# KiCad board OEM_ECU.kicad_pcb
title: OPEN ECU; date: 2024-03-25; rev: 04-2024; company: WWW.AEONLABS.SCIENCE; note: https://github.com/aeonSolutions/AeonLabs-AI-Volvo-MKII-Open-Hardware/wiki; note: Creative Commons non commercial share alike
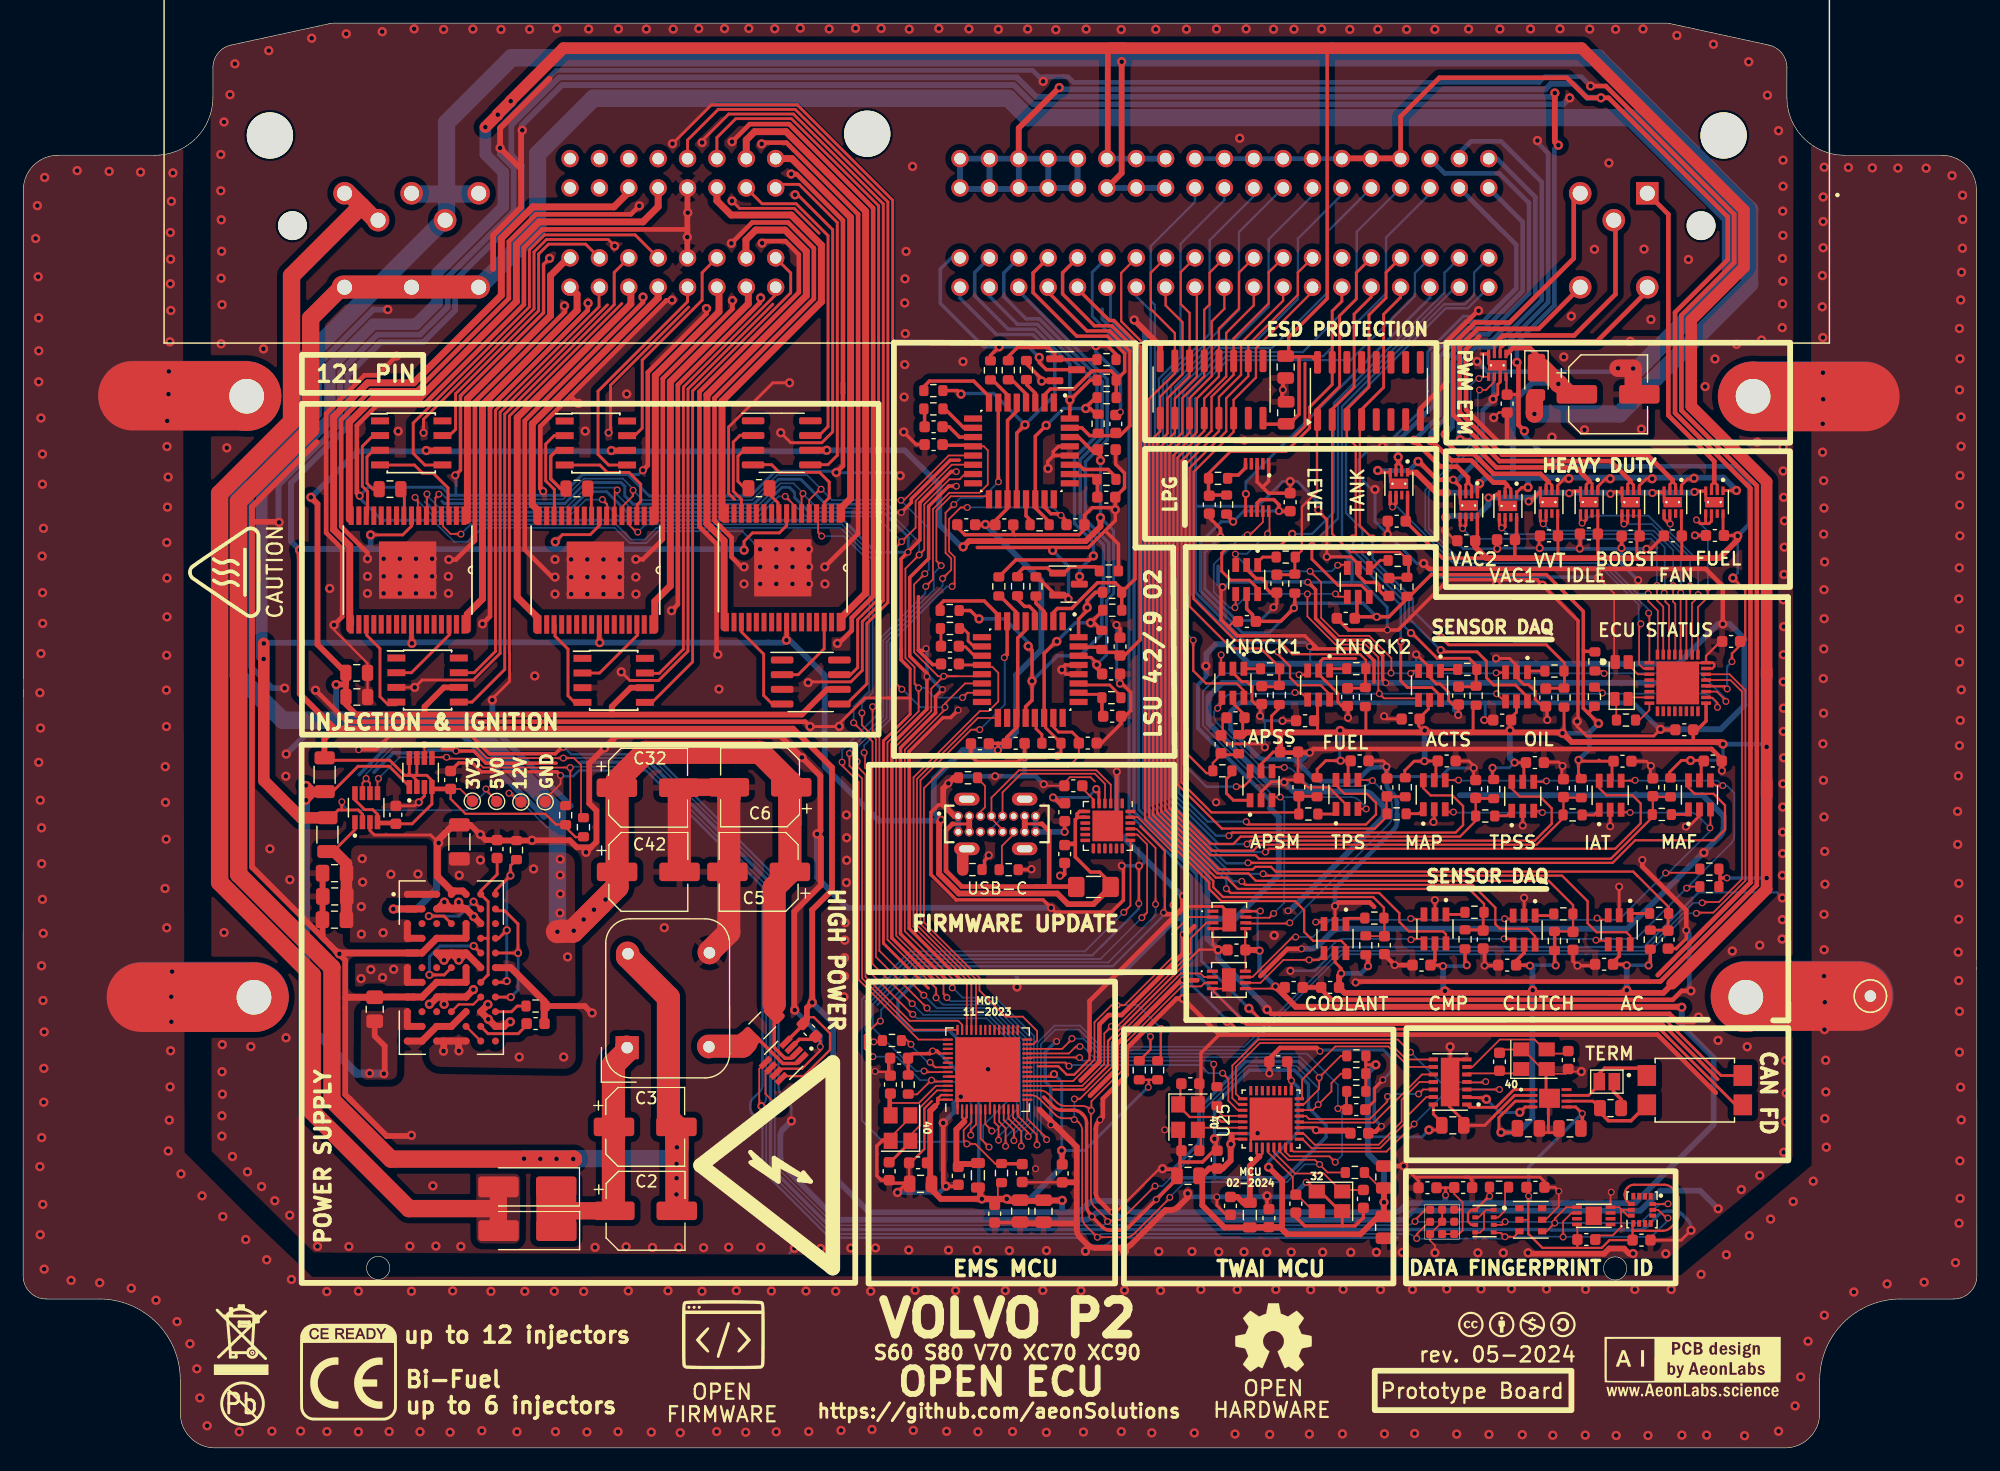
[diagram p0: board, top side]
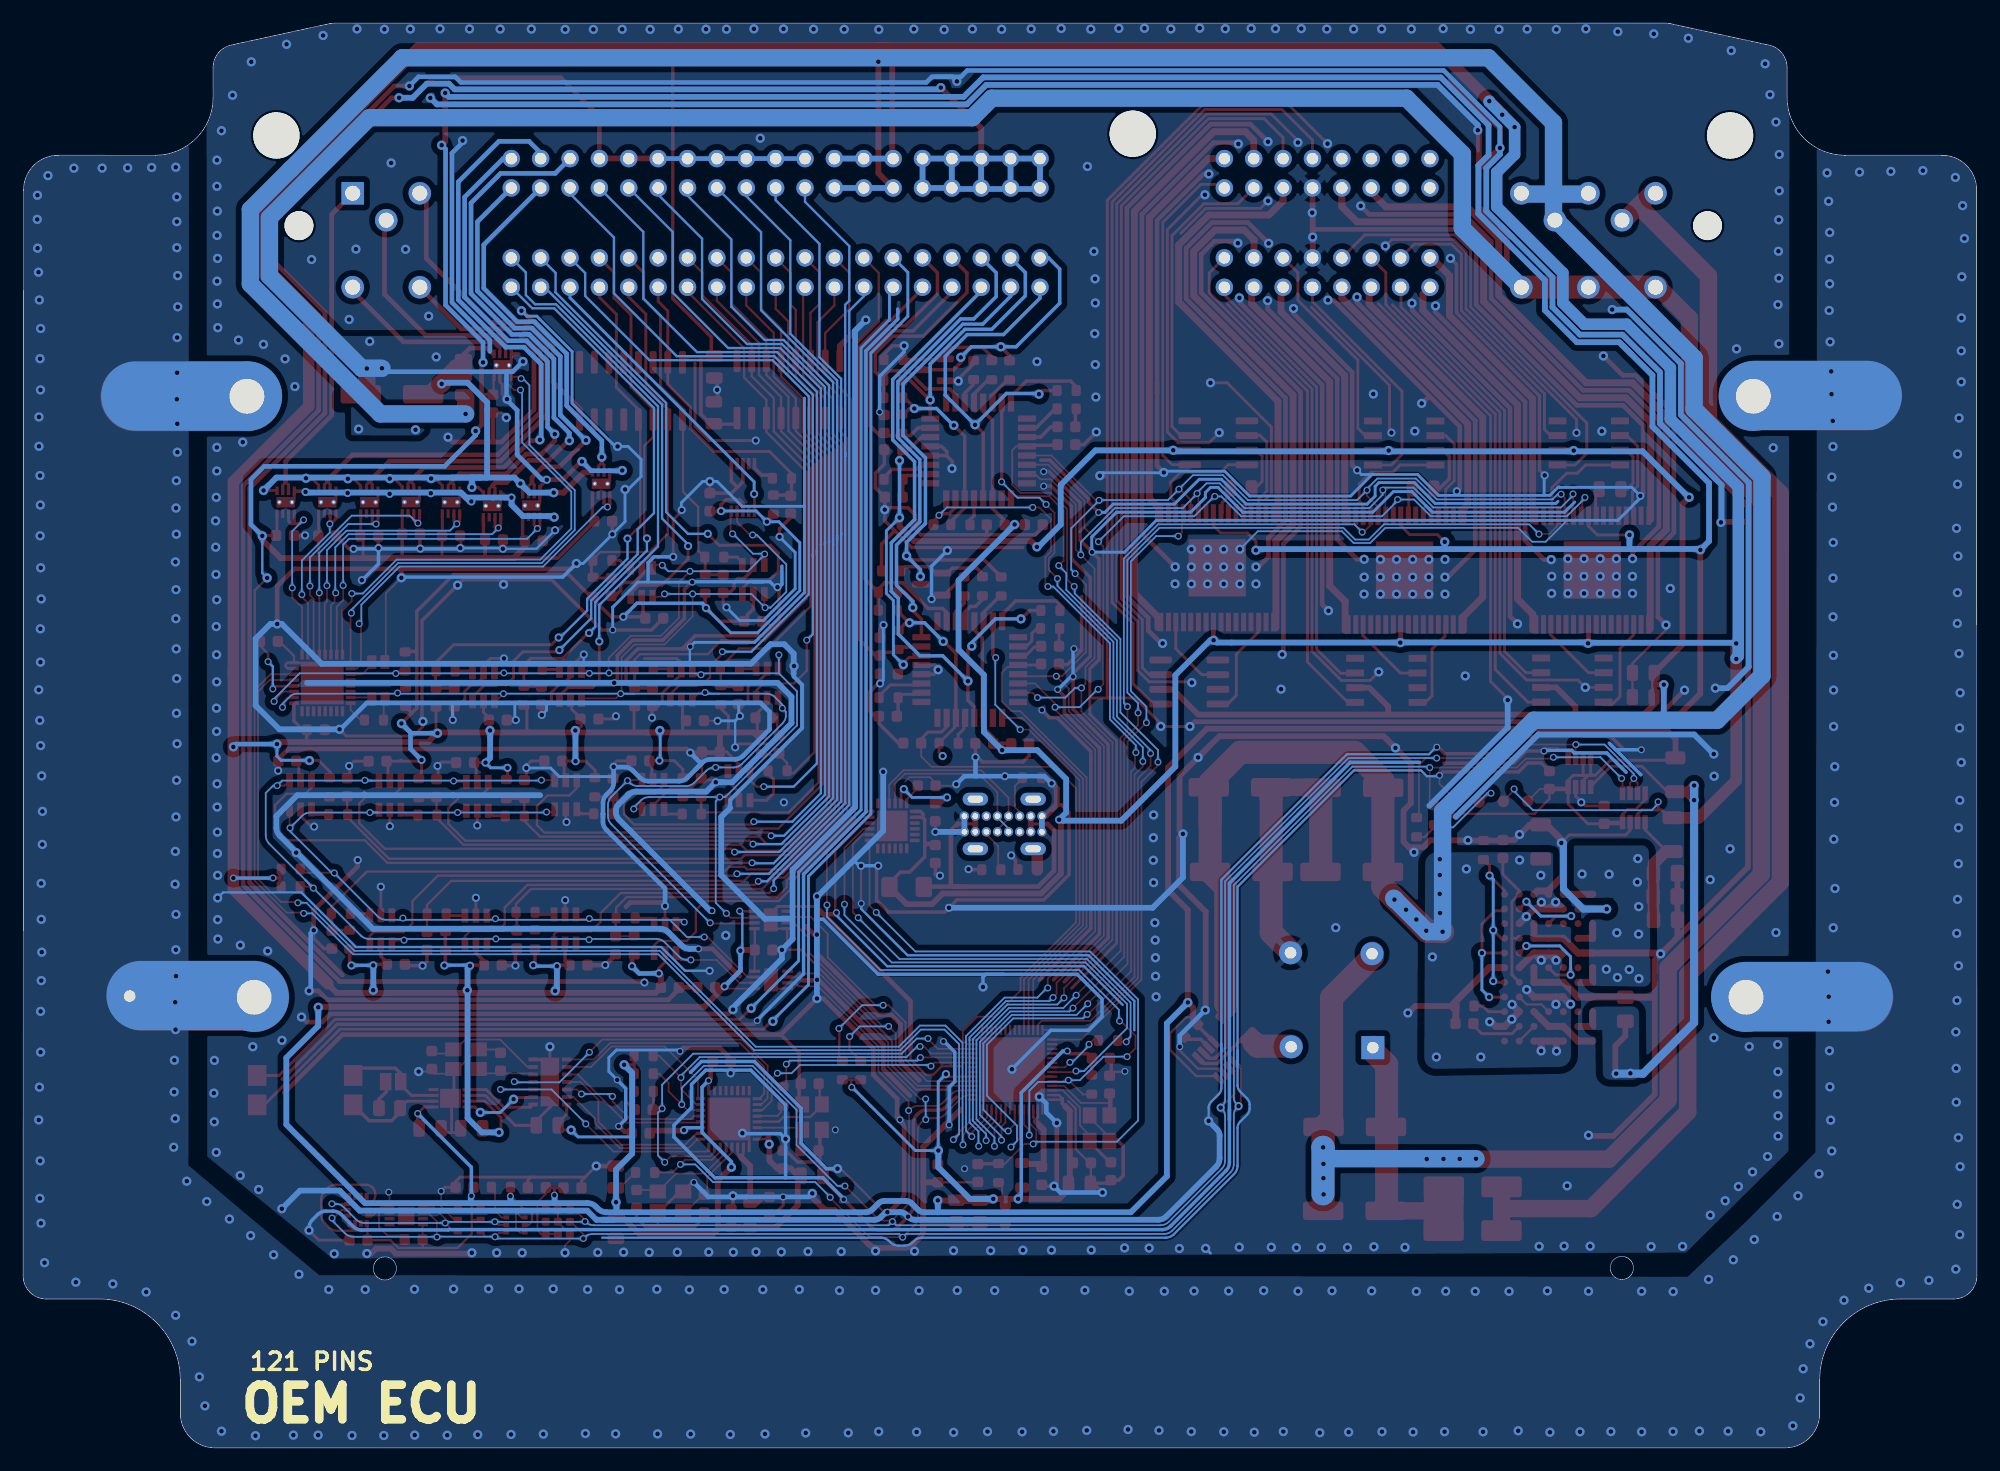
[diagram p1: board, bottom side, seen from below]

Outline 168.94 x 123.25 mm; copper layers: Top, Bottom. Coordinates in mm from the lower left corner of the outline.
Stack: Top 0.035mm / dielectric 1.51mm FR4 er 4.5 / Bottom 0.035mm

## Placement (name value [footprint] x y rotation side)
AC_C1  100nF  [C_0603_1608Metric]  142.24 43.96 90 top
AC_C2  100nF  [C_0603_1608Metric]  136.71 41.83 0 top
AC_R1  ??R  [R_0603_1608Metric]  140.7 43.96 270 top
AC_R2  500R  [R_0603_1608Metric]  141.47 46.23 180 top
AC_SENSE1  ADS1100A0IDBVR  [ADS1100 16-bit ADC SOT95P280X145-6N]  138.01 44.82 270 top
ACC_PEDAL_M_SENSE1  ADS1100A0IDBVR  [ADS1100 16-bit ADC SOT95P280X145-6N]  107.04 57.28 90 top
ACC_PEDAL_S_SENSE2  ADS1100A0IDBVR  [ADS1100 16-bit ADC SOT95P280X145-6N]  104.61 66.15 270 top
ACPM_C1  100nF  [C_0603_1608Metric]  103.58 60.87 270 top
ACPM_C2  100nF  [C_0603_1608Metric]  109.47 60.2 180 top
ACPM_C4  100nF  [C_0603_1608Metric]  143.64 62.12 0 top
ACPM_C5  100nF  [C_0603_1608Metric]  147.69 69.76 0 top
ACPM_R1  ??R  [R_0603_1608Metric]  105.1 60.88 90 top
ACPM_R2  500R  [R_0603_1608Metric]  103.7 58.57 0 top
ACPS_C3  100nF  [C_0603_1608Metric]  107.1 65.12 90 top
ACPS_C4  100nF  [C_0603_1608Metric]  104.84 63.16 0 top
ACPS_R3  ??R  [R_0603_1608Metric]  108.62 65.13 270 top
ACPS_R4  500R  [R_0603_1608Metric]  107.83 67.39 180 top
ACTS_C1  100nF  [C_0603_1608Metric]  124.12 65.08 90 top
ACTS_C2  100nF  [C_0603_1608Metric]  119.97 63.05 0 top
ACTS_R1  ??R  [R_0603_1608Metric]  125.64 65.07 270 top
ACTS_R2  500R  [R_0603_1608Metric]  124.88 67.34 180 top
ACTS_SENSE1  ADS1100A0IDBVR  [ADS1100 16-bit ADC SOT95P280X145-6N]  121.61 65.96 270 top
AUC1  100nF  [C_0603_1608Metric]  135.17 18.02 180 top
BMPR1  10k  [R_0603_1608Metric]  127.62 22.55 180 top
bogus1  Conn_01x01_Pin  [TestPoint_Keystone_5000-5004_Miniature]  159.73 39.08 0 top
C1  100uF  [CP_Elec_6.3x7.7]  137.05 91.14 0 top
C2  100pF  [CP_Elec_6.3x7.7]  53.82 20.51 0 top
C3  10uF  [CP_Elec_6.3x7.7]  53.79 27.77 0 top
C3_C1  10uF  [C_0805_2012Metric#2]  117.7 23.43 90 top
C3_C2  10uF  [C_0805_2012Metric#2]  117.68 19.08 270 top
C3_P2_L1  2nH  [L_0805_2012Metric]  106.07 20.14 90 top
C3_P32_C2  100nF  [C_0603_1608Metric]  103.25 24.94 270 top
C3P2_C1  100nF  [C_0603_1608Metric]  104.4 20.93 270 top
C3P2_C2  100nF  [C_0603_1608Metric]  107.72 19.88 90 top
C3P6_R1  10k  [R_0603_1608Metric]  115.16 23.82 180 top
C3P7_C1  1uF  [C_0603_1608Metric]  115.28 29.26 180 top
C3P7_R1  10k  [R_0603_1608Metric]  115.28 30.84 180 top
C3P11_C1  100nF  [C_0603_1608Metric]  115.54 27.22 0 top
C3P14_R1  10k  [R_0603_1608Metric]  115.28 32.37 180 top
C3P15_R1  10k  [R_0603_1608Metric]  115.29 33.91 180 top
C3P17_C1  100nF  [C_0603_1608Metric]  108.54 33.4 180 top
C3P28_R1  499R  [R_0603_1608Metric]  103.23 30.42 270 top
C3P32_C1  1uF  [C_0805_2012Metric#2]  100.73 23.53 0 top
C3XTAL32_1  32.768Mhz  [Crystal_SMD_3225-4Pin_3.2x2.5mm]  112.96 21.33 180 top
C3XTAL32_2  32.768Mhz  [Crystal_SMD_3225-4Pin_3.2x2.5mm]  130.64 33.62 0 top
C3XTAL32_C1  22pF  [C_0603_1608Metric]  115.89 21.54 270 top
C3XTAL32_C2  22pF  [C_0603_1608Metric]  110.05 21.13 270 top
C3XTAL32_C3  22pF  [C_0603_1608Metric]  133.6 33.55 270 top
C3XTAL32_C4  22pF  [C_0603_1608Metric]  127.66 33.4 90 top
C3XTAL40_1  40Mhz  [Crystal_SMD_3225-4Pin_3.2x2.5mm]  100.73 28.61 270 top
C3XTAL40_C1  22pF  [C_0603_1608Metric]  100.93 31.5 0 top
C3XTAL40_C2  22pF  [C_0603_1608Metric]  100.94 25.71 180 top
C4  0.1uF  [C_0805_2012Metric#2]  123.62 27.9 0 top
C5  10uF  [CP_Elec_6.3x7.7]  63.6 49.83 180 top
C6  10uF  [CP_Elec_6.3x7.7]  63.72 57.15 180 top
C7  0.1uF  [C_0805_2012Metric#2]  130.16 27.64 180 top
C8  0.1uF  [C_0805_2012Metric#2]  133.75 27.63 180 top
C10  1uF  [C_0805_2012Metric]  28.84 67.05 0 top
C16  0.1uF  [C_0805_2012Metric]  28.85 64.96 0 top
C32  4.7uF  [CP_Elec_6.3x7.7]  54.04 57.11 0 top
C42  100pF  [CP_Elec_6.3x7.7]  54.06 49.83 0 top
CHC1  1uF  [C_0603_1608Metric]  90.06 51.37 270 top
CHC2  1uF  [C_0603_1608Metric]  90.81 57.28 0 top
CHC3  1uF  [C_0603_1608Metric]  90.07 54.99 270 top
CJC1  2.2nF  [C_0603_1608Metric]  94.85 69.32 270 top
CJC2  100nF  [C_0603_1608Metric]  80.14 69.35 180 top
CJC3  100nF  [C_0603_1608Metric]  85.83 60.95 180 top
CJC4  100nF  [C_0603_1608Metric]  82.73 60.92 0 top
CJC5  100nF  [C_0603_1608Metric]  94.08 66.95 180 top
CJC6  100nF  [C_0603_1608Metric]  94.17 63.29 180 top
CJC7  33nF  [C_0603_1608Metric]  92.06 60.97 180 top
CJC8  33nF  [C_0603_1608Metric]  80.15 67.81 0 top
CJC9  2.2nF  [C_0603_1608Metric]  94.48 88.58 270 top
CJC10  100nF  [C_0603_1608Metric]  78.73 88.33 180 top
CJC11  100nF  [C_0603_1608Metric]  81.55 79.86 0 top
CJC12  100nF  [C_0603_1608Metric]  84.84 79.85 180 top
CJC13  100nF  [C_0603_1608Metric]  93.7 86.35 180 top
CJC14  100nF  [C_0603_1608Metric]  93.66 82.24 180 top
CJC15  33nF  [C_0603_1608Metric]  91 79.86 180 top
CJC16  33nF  [C_0603_1608Metric]  78.73 86.79 0 top
CJQ1  AO3400A  [SOT-23]  90.39 74.72 0 top
CJQ2  AO3400A  [SOT-23]  90.15 93.26 0 top
CJR1  61R9  [R_0603_1608Metric]  94.17 74.01 180 top
CJR2  10K  [R_0603_1608Metric]  87.58 74.52 270 top
CJR3  300R  [R_0603_1608Metric]  80.12 72.44 0 top
CJR4  31K6  [R_0603_1608Metric]  80.14 70.88 180 top
CJR5  4K7  [R_0603_1608Metric]  88.92 60.96 0 top
CJR6  100K  [R_0603_1608Metric]  93.27 69.89 270 top
CJR7  470K  [R_0603_1608Metric]  94.18 72.46 0 top
CJR8  100K  [R_0603_1608Metric]  94.11 64.9 0 top
CJR9  6K8  [R_0603_1608Metric]  84.37 74.52 90 top
CJR10  100K  [R_0603_1608Metric]  93.89 75.86 0 top
CJR11  4K7  [R_0603_1608Metric]  85.99 74.54 270 top
CJR12  470K  [R_0603_1608Metric]  93.69 90.85 0 top
CJR13  100K  [R_0603_1608Metric]  92.95 88.6 270 top
CJR14  61R9  [R_0603_1608Metric]  93.69 92.36 180 top
CJR15  31K6  [R_0603_1608Metric]  78.71 89.88 180 top
CJR16  300R  [R_0603_1608Metric]  78.71 91.46 0 top
CJR17  4K7  [R_0603_1608Metric]  87.9 79.85 0 top
CJR18  10K  [R_0603_1608Metric]  86.75 93.24 270 top
CJR19  100K  [R_0603_1608Metric]  93.67 83.78 0 top
CJR20  4K7  [R_0603_1608Metric]  85.18 93.22 270 top
CJR21  100K  [R_0603_1608Metric]  93.68 94.14 0 top
CJR22  6K8  [R_0603_1608Metric]  83.64 93.21 90 top
CLU_C3  100nF  [C_0603_1608Metric]  134.02 43.85 90 top
CLU_C4  100nF  [C_0603_1608Metric]  128.33 41.76 0 top
CLU_R3  ??R  [R_0603_1608Metric]  132.41 43.85 270 top
CLU_R4  500R  [R_0603_1608Metric]  133.18 46.19 180 top
CLUTCH_SENSE1  ADS1100A0IDBVR  [ADS1100 16-bit ADC SOT95P280X145-6N]  129.79 44.79 270 top
COOL_C1  100nF  [C_0603_1608Metric]  117.71 43.49 90 top
COOL_C2  100nF  [C_0603_1608Metric]  113.01 39.83 0 top
COOL_R1  ??R  [R_0603_1608Metric]  116.1 43.48 270 top
COOL_R2  500R  [R_0603_1608Metric]  116.84 45.83 180 top
COOLANT_SENSE1  ADS1100A0IDBVR  [ADS1100 16-bit ADC SOT95P280X145-6N]  113.44 44.06 270 top
CRA_C3  100nF  [C_0603_1608Metric]  126.25 43.98 90 top
CRA_C4  100nF  [C_0603_1608Metric]  120.92 41.76 0 top
CRA_R3  ??R  [R_0603_1608Metric]  124.68 43.99 270 top
CRA_R4  500R  [R_0603_1608Metric]  125.5 46.33 180 top
CRANK_SENSE1  ADS1100A0IDBVR  [ADS1100 16-bit ADC SOT95P280X145-6N]  122.08 44.89 270 top
D1  SS36  [D_SMA_Handsoldering]  43.6 22.58 180 top
D4  D_Schottky  [D_PowerDI-123]  130.86 92.59 270 top
D11  SS36  [D_SMA_Handsoldering]  43.61 18.8 180 top
ENS_C1  100nF  [C_0603_1608Metric]  121.44 22.5 0 top
ENS_C2  1uF  [C_0603_1608Metric]  124.52 22.52 180 top
ENS_C3  100nF  [C_0603_1608Metric]  139.94 17.97 180 top
ENS_C4  100nF  [C_0603_1608Metric]  130.77 22.54 180 top
ER1  1R  [R_1206_3216Metric]  26.07 58.23 270 top
ER2  1R  [R_1206_3216Metric]  26.31 53.05 90 top
ER4  1R  [R_1206_3216Metric]  63.91 36.54 45 top
ESP32S1  ESP32-S3  [QFN-56-1EP_7x7mm_P0.4mm_EP5.6x5.6mm]  83.4 32.72 90 top
ETMDRV_C1  100nF  [C_0603_1608Metric]  128.32 90.34 270 top
ETMDRV_C2  100nF  [C_0603_1608Metric]  131.94 78.9 180 top
ETMDRV_C3  100nF  [C_0603_1608Metric]  135.39 79.07 180 top
ETMDRV_C4  100nF  [C_0603_1608Metric]  139 78.87 180 top
ETMDRV_C5  100nF  [C_0603_1608Metric]  142.65 78.9 180 top
ETMDRV_C6  100nF  [C_0603_1608Metric]  146.29 78.93 180 top
ETMDRV_C7  100nF  [C_0603_1608Metric]  128.23 78.56 180 top
ETMDRV_C8  100nF  [C_0603_1608Metric]  124.79 78.47 180 top
ETMDRV_C9  100nF  [C_0603_1608Metric]  118.78 80.17 180 top
FL1  CANBUS TDK ZJYS51R5-2PT-01  [TDK ZJYS  CANBUS]  144.55 30.94 0 top
FUEL_C1  100nF  [C_0603_1608Metric]  114.52 64.94 90 top
FUEL_C2  100nF  [C_0603_1608Metric]  110.85 62.9 0 top
FUEL_C3  100nF  [C_0603_1608Metric]  131.66 64.91 90 top
FUEL_C4  100nF  [C_0603_1608Metric]  127.89 62.96 0 top
FUEL_LPG_C1  100nF  [C_0603_1608Metric]  102.57 81.59 90 top
FUEL_LPG_C2  100nF  [C_0603_1608Metric]  109.56 81.81 270 top
FUEL_LPG_R1  ??R  [R_0603_1608Metric]  104.07 81.6 270 top
FUEL_LPG_R2  500R  [R_0603_1608Metric]  103.33 83.87 0 top
FUEL_R1  ??R  [R_0603_1608Metric]  116.06 64.95 270 top
FUEL_R2  500R  [R_0603_1608Metric]  115.28 67.41 180 top
FUEL_R3  ??R  [R_0603_1608Metric]  133.24 64.9 270 top
FUEL_R4  500R  [R_0603_1608Metric]  132.41 67.2 180 top
FUEL_SENSE1  ADS1100A0IDBVR  [ADS1100 16-bit ADC SOT95P280X145-6N]  129.13 65.84 270 top
FUEL_SENSE2  ADS1100A0IDBVR  [ADS1100 16-bit ADC SOT95P280X145-6N]  112.02 65.99 270 top
G***  LOGO  [CE Ready Small Logo]  28.13 6.55 0 top
G***#2  LOGO  [aeon creative commons logos]  129.15 10.72 0 top
G***#3  LOGO  [open_firmware]  60.4 8.83 0 top
G***#4  LOGO  [aeonlabs science]  144.36 6.98 0 top
G***#5  LOGO  [OEM_ECU_housing]  82.97 64.81 0 top
G***#6  LOGO  [hot surface small logo]  17.39 75.75 90 top
HLL1  SQ1010_8x5mm  [Common Mode Inductor SQ1010 8x5mm]  54.91 38.43 90 top
I2C_SCL_R1  500R  [R_0603_1608Metric]  145.81 50.07 180 top
I2C_SCL_R2  500R  [R_0603_1608Metric]  98.1 32.67 90 top
I2C_SCL_R3  500R  [R_0603_1608Metric]  48.45 53.69 90 top
I2C_SCL_R4  500R  [R_0603_1608Metric]  135.91 68.03 270 top
I2C_SDA_R1  500R  [R_0603_1608Metric]  145.81 48.55 0 top
I2C_SDA_R2  500R  [R_0603_1608Metric]  96.51 32.67 270 top
I2C_SDA_R3  500R  [R_0603_1608Metric]  46.91 54.73 270 top
I2C_SDA_R4  500R  [R_0603_1608Metric]  135.87 64.98 270 top
IAT_C1  100nF  [C_0603_1608Metric]  133.19 57.07 270 top
IAT_C2  100nF  [C_0603_1608Metric]  138.3 59.4 180 top
IAT_R1  ??R  [R_0603_1608Metric]  134.73 57.07 90 top
IAT_R2  500R  [R_0603_1608Metric]  133.98 54.75 0 top
IAT_SENSE1  ADS1100A0IDBVR  [ADS1100 16-bit ADC SOT95P280X145-6N]  137.23 56.46 90 top
IC_ENS1  ~  [ENS160 Gas Semsor]  122.67 19.54 0 top
IMU2  LSM6DS3  [LSM6DS3 Motion Sensor PQFN50P300X250X86-14N]  139.99 20.59 270 top
INA1  INA219AIDCNR  [INA219AIDCNR SOT65P280X145-8N]  65.76 33.53 225 top
INA1_C1  100nF  [C_0603_1608Metric]  67.98 36.14 135 top
INA1_C2  100nF  [C_0603_1608Metric]  109.87 39.83 180 top
INA1_C4  100nF  [C_0603_1608Metric]  32.23 54.76 270 top
INA1_C5  100nF  [C_0603_1608Metric]  36.96 57.78 270 top
INA1_C13  100nF  [C_0603_1608Metric]  104.92 43.07 0 top
INA4  INA219AIDCNR  [INA219AIDCNR SOT65P280X145-8N]  29.67 55.38 90 top
INA5  INA219AIDCNR  [INA219AIDCNR SOT65P280X145-8N]  34.37 58.43 90 top
J3  USB4120-03-C_REVA  [USB-C Vertical GCT_USB4120-03-C_REVA]  84.2 53.97 0 top
JP4  Jumper_NO_Small  [SolderJumper-2_P1.3mm_Open_Pad1.0x1.5mm]  136.94 31.68 0 top
KNOCK1_C1  100nF  [C_0603_1608Metric]  108.4 74.76 90 top
KNOCK1_C2  100nF  [C_0603_1608Metric]  105.82 71.49 0 top
KNOCK1_R1  500R  [R_0603_1608Metric]  109.18 77.06 180 top
KNOCK1_R2  ??R  [R_0603_1608Metric]  109.96 74.76 270 top
KNOCK1_SENSE1  ADS1100A0IDBVR  [ADS1100 16-bit ADC SOT95P280X145-6N]  105.8 75.12 270 top
KNOCK2_C1  100nF  [C_0603_1608Metric]  118.1 74.47 90 top
KNOCK2_C2  100nF  [C_0603_1608Metric]  114.37 71.76 0 top
KNOCK2_R1  ??R  [R_0603_1608Metric]  119.66 74.49 270 top
KNOCK2_R2  500R  [R_0603_1608Metric]  118.85 76.77 180 top
KNOCK2_SENSE1  ADS1100A0IDBVR  [ADS1100 16-bit ADC SOT95P280X145-6N]  115.45 74.87 270 top
KTS1  KTS1620 GPIO Exprander I2C 24bit  [KTS1620 24bit IO Expander QFN32 5x5mm.lib]  143.07 66.17 270 top
LED2  LED_GBRC  [LED_1206_3210_RGB_Metric]  138.27 66.15 90 top
LTM_C1  10uF  [C_1206_3216Metric]  37.72 52.42 270 top
LTM_C2  100nF  [C_0603_1608Metric]  44.31 36.7 180 top
LTM_C3  47uF  [C_0805_2012Metric_Pad1.18x1.45mm_HandSolder]  30.4 37.94 90 top
LTM_C4  100nF  [C_0603_1608Metric]  40.98 51.8 270 top
LTM_C5  47uF  [C_0805_2012Metric_Pad1.18x1.45mm_HandSolder]  26.92 45.69 180 top
LTM_C6  47uF  [C_0805_2012Metric_Pad1.18x1.45mm_HandSolder]  26.95 47.7 180 top
LTM_C7  47uF  [C_0805_2012Metric_Pad1.18x1.45mm_HandSolder]  26.93 49.71 180 top
MAF_C3  100nF  [C_0603_1608Metric]  140.92 57.15 270 top
MAF_C4  100nF  [C_0603_1608Metric]  146.1 59.42 180 top
MAF_R3  ??R  [R_0603_1608Metric]  142.45 57.14 90 top
MAF_R4  500R  [R_0603_1608Metric]  141.7 54.79 0 top
MAF_SENSE1  ADS1100A0IDBVR  [ADS1100 16-bit ADC SOT95P280X145-6N]  144.95 56.48 90 top
MAP_C1  100nF  [C_0603_1608Metric]  117.93 57.14 270 top
MAP_C2  100nF  [C_0603_1608Metric]  123.1 59.42 180 top
MAP_R1  ??R  [R_0603_1608Metric]  119.51 57.15 90 top
MAP_R2  500R  [R_0603_1608Metric]  118.77 54.85 0 top
MAP_SENSE1  ADS1100A0IDBVR  [ADS1100 16-bit ADC SOT95P280X145-6N]  122.02 56.5 90 top
MPR7  13K3  [R_0603_1608Metric]  44.31 38.22 0 top
MPR8  13K3  [R_0603_1608Metric]  42.66 51.71 90 top
PWR_FUSE1  Polyfuse  [Fuse_1206_3216Metric_Pad1.42x1.75mm_HandSolder]  92.55 48.52 180 top
R1  10k  [R_0805_2012Metric#2]  63.63 83.02 180 top
R2  120R  [R_0805_2012Metric#2]  137.26 29.39 0 top
R5  10k  [R_0805_2012Metric]  31.72 82.94 180 top
R6  10k  [R_0805_2012Metric]  47.89 82.99 180 top
REF**  -  [Symbol_Highvoltage_Type2_Front_Silk_Small]  66.2 24.44 90 top
REF**#2  -  [OSHW-Symbol_6.7x6mm_SilkScreen]  108.11 9.53 0 top
RGB_R1  330R  [R_0603_1608Metric]  138.6 62.96 180 top
S3_VDD3_C1  10uF  [C_0805_2012Metric#2]  86.21 20.48 270 top
S3_VDD3_C3  10uF  [C_0805_2012Metric#2]  88.23 20.47 270 top
S3_XTAL40_1  40Mhz 22pF+-10PPM  [Crystal_SMD_3225-4Pin_3.2x2.5mm]  75.87 27.66 90 top
S3_XTAL40_C1  22pF 5% 50V  [C_0603_1608Metric]  74.88 23.93 270 top
S3_XTAL40_C2  22pF 5% 50V  [C_0603_1608Metric]  74.99 31.43 90 top
S3P2_C1  100nF  [C_0603_1608Metric]  84.01 20.26 270 top
S3P2_C2  100nF  [C_0603_1608Metric]  80.86 23.53 270 top
S3P2_L1  12nH 5%  [L_0805_2012Metric]  82.56 23.58 90 top
S3P4_C1  100nF  [C_0603_1608Metric]  86.39 23.77 90 top
S3P4_R1  10k  [R_0603_1608Metric]  84.6 23.77 90 top
S3P20_C1  100nF  [C_0603_1608Metric]  89.85 23.75 270 top
S3P46_C1  100nF  [C_0603_1608Metric]  75.74 33.71 180 top
S3P49_R1  499R  [R_0603_1608Metric]  75.13 35.24 0 top
S3P52_R1  10k  [R_0603_1608Metric]  76.53 31.43 270 top
S3P55_C1  1uF  [C_0805_2012Metric#2]  77.6 22.84 0 top
S3P55_C2  100nF  [C_0603_1608Metric]  77.38 24.66 0 top
Sign-PbFree  -  [LOGO_PBFREE]  18.77 4.14 180 top
Sign-RecycleBin  -  [LOGO_RECYCLEBIN_1]  16.52 6.33 0 top
SP1  SP720  [SOIC-16_3.9x9.9mm_P1.27mm]  102.77 91.56 270 top
SP2  SP720  [SOIC-16_3.9x9.9mm_P1.27mm]  116.37 91.43 90 top
SP_C1  100uF  [C_0805_2012Metric#2]  109.21 89.54 90 top
SP_C2  100uF  [C_0805_2012Metric#2]  109.17 93.5 270 top
TP1  VOut  [TestPoint_Pad_D1.0mm]  38.84 55.95 90 top
TP2  GND  [TestPoint_Pad_D1.0mm]  45.14 55.89 90 top
TP3  VIN  [TestPoint_Pad_D1.0mm]  40.94 55.92 90 top
TP4  12V  [TestPoint_Pad_D1.0mm]  43.04 55.87 90 top
TPS_C3  100nF  [C_0603_1608Metric]  110.31 57.15 270 top
TPS_C4  100nF  [C_0603_1608Metric]  115.57 59.43 180 top
TPS_R3  ??R  [R_0603_1608Metric]  111.89 57.15 90 top
TPS_R4  500R  [R_0603_1608Metric]  111.13 54.83 0 top
TPS_SENSE1  ADS1100A0IDBVR  [ADS1100 16-bit ADC SOT95P280X145-6N]  114.47 56.53 90 top
TPSS_C3  100nF  [C_0603_1608Metric]  125.6 57 270 top
TPSS_C4  100nF  [C_0603_1608Metric]  130.72 59.28 180 top
TPSS_R3  ??R  [R_0603_1608Metric]  127.16 56.99 90 top
TPSS_R4  500R  [R_0603_1608Metric]  126.43 54.66 0 top
TPSS_SENSE1  ADS1100A0IDBVR  [ADS1100 16-bit ADC SOT95P280X145-6N]  129.67 56.37 90 top
U1  MCP2517FD-H_JHA  [MCP2517FD CAN Controller]  123.39 31.65 180 top
U2  ADS1115  [ASD1155]  106.7 83.08 180 top
U3  TC4424A  [SOIC-8_3.9x4.9mm_P1.27mm]  33.56 86.94 0 top
U4  TC4424A  [SOIC-8_3.9x4.9mm_P1.27mm]  49.53 86.93 0 top
U5  MC33810  [mc33810 SOIC32-P0.65-33N]  33.25 75.94 270 top
U6  MC33810  [mc33810 SOIC32-P0.65-33N]  49.49 75.93 270 top
U7  TC4424A  [SOIC-8_3.9x4.9mm_P1.27mm]  34.97 66.42 0 top
U8  TC4424A  [SOIC-8_3.9x4.9mm_P1.27mm]  51.06 66.4 0 top
U9  BMP280  [XDCR_BMP280]  126.36 19.62 0 top
U10  -  [PCA9515ADRGR]  104.3 45.67 0 top
U11  -  [PCA9515ADRGR]  104.26 40.48 0 top
U12  CJ125_LQFN32  [CJ125 QFN32]  86.32 86.24 270 top
U13  DRV8220DSGR_H_Bridge_Driver_2A_12V  [DRV8220DSGR H Bridge Driver 2A 12V]  127.47 93.65 270 top
U14  DRV8220DSGR_H_Bridge_Driver_2A_12V  [DRV8220DSGR H Bridge Driver 2A 12V]  146.24 81.81 270 top
U15  ~  [121 pin ECU connector header]  84.19 113.53 180 top
U16  ATSHA204A-MAHDA-T  [ATSHA204A-MAHDA-T UDFN-8]  135.81 20.07 180 top
U17  TC4424A  [SOIC-8_3.9x4.9mm_P1.27mm#2]  65.6 86.94 0 top
U18  MC33810  [mc33810 SOIC32-P0.65-33N]  65.69 76.13 270 top
U19  DRV8220DSGR_H_Bridge_Driver_2A_12V  [DRV8220DSGR H Bridge Driver 2A 12V]  142.64 81.81 270 top
U20  DRV8220DSGR_H_Bridge_Driver_2A_12V  [DRV8220DSGR H Bridge Driver 2A 12V]  139 81.81 270 top
U21  AHT20  [AHT20 PSON100P300X300X110-6N]  130.37 19.73 0 top
U22  TC4424A  [SOIC-8_3.9x4.9mm_P1.27mm#2]  68.11 66.25 0 top
U23  DRV8220DSGR_H_Bridge_Driver_2A_12V  [DRV8220DSGR H Bridge Driver 2A 12V]  128.39 81.49 270 top
U24  LTM4644EY_PBF  [LTM4644EY]  37.03 41.54 0 top
U25  ESP32C3  [ESP32 C3]  107.91 28.45 90 top
U26  DRV8220DSGR_H_Bridge_Driver_2A_12V  [DRV8220DSGR H Bridge Driver 2A 12V]  135.41 81.82 270 top
U27  DRV8220DSGR_H_Bridge_Driver_2A_12V  [DRV8220DSGR H Bridge Driver 2A 12V]  131.94 81.81 270 top
U28  CJ125_LQFN32  [CJ125 QFN32]  87.09 67.33 270 top
U29  ~  [CH9102F]  93.79 53.8 270 top
U30  DRV8220DSGR_H_Bridge_Driver_2A_12V  [DRV8220DSGR H Bridge Driver 2A 12V]  125 81.52 270 top
U31  MCP2558FDT-H/MNY  [MCP2558FD CAN Transceiver]  131.98 30.24 0 top
U32  DRV8220DSGR_H_Bridge_Driver_2A_12V  [DRV8220DSGR H Bridge Driver 2A 12V]  118.96 83.41 270 top
USB_PLUG_R3  5k1  [R_0603_1608Metric]  81.7 57.97 180 top
USB_PLUG_R4  5k1  [R_0603_1608Metric]  85.22 50.02 0 top
USB_PLYG_R2  150K  [R_0603_1608Metric]  82.09 50.03 0 top
